# Allegro board nu_2000_main_210405_gerber_el.brd (continued)
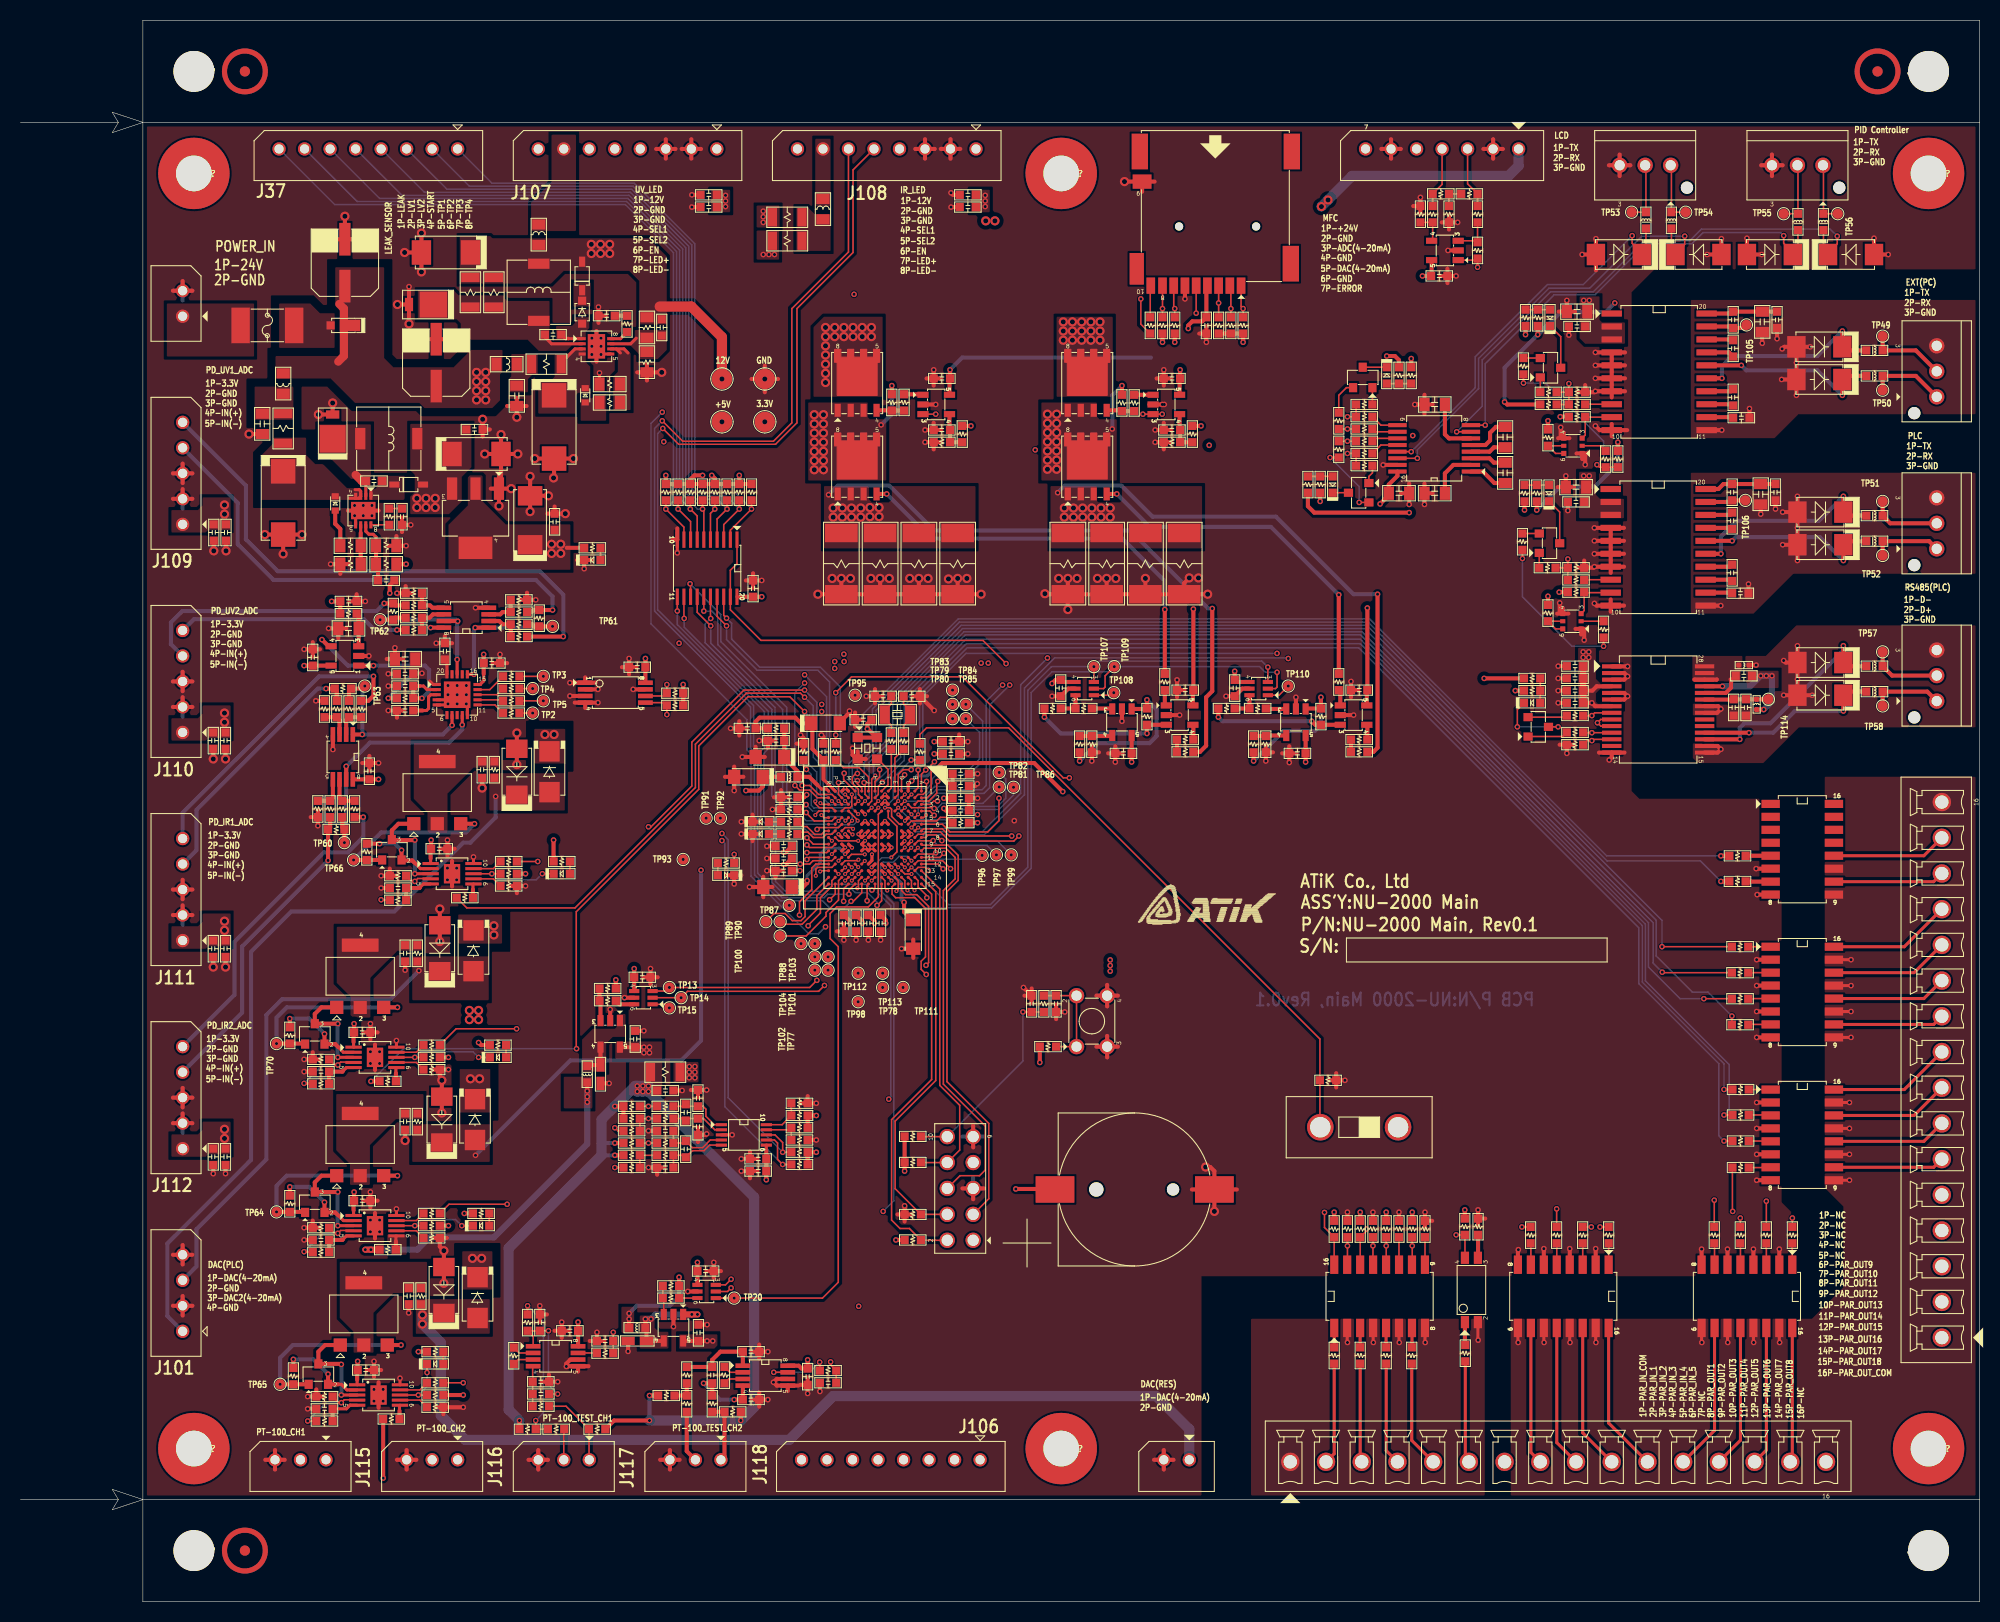
[diagram p0: board, top side]
## Routing (per net, layer and track width the routed paths; a pad name or vN(x,y) marks a point on that pad's centre or on a via; arc(x,y) is an arc through that point) (continued)
N8369408: length 2.8
  TOP w0.15: U13.3 63.05,29.65 R266.2 R268.2
N8396298: length 3.6
  TOP w0.3: 39.4,87.35 39.8,87.35 40,87.55 40,88.7 40.2,88.9 U28.3
  TOP w0.4: 39.4,87.35 C121.1
N8403456: length 3.4
  TOP w0.4: R276.1 R274.1 47.25,97 47.02,96.78 U22.3
N8403460: length 55
  TOP w0.4: R273.2 v1(53.2,94.6)
  BOTTOM w0.4: v1(53.2,94.6) 53.2,98.7 50.9,101 25.23,101 22.1,104.12 22.1,109.4 J109.5
N8403752: length 3.4
  TOP w0.4: U22.5 40.38,97.42 40.15,97.65 R279.1 R280.1
N8403762: length 22.7
  TOP w0.4: R278.2 v1(36.9,95.25)
  BOTTOM w0.4: v1(36.9,95.25) 34.73,95.25 33.67,96.3 17,96.3 J110.5
N8404439: length 30.1
  TOP w0.4: v1(34.6,90.7) 34.6,88.8 34.1,88.3 R282.2
  BOTTOM w0.4: J111.5 15.9,77.32 29.28,90.7 v1(34.6,90.7)
N8404447: length 3
  TOP w0.4: U55.3 31.27,86.42 R283.1 R284.1
N8404798: length 32.1
  TOP w0.4: R286.2 v1(33.6,76.9)
  BOTTOM w0.4: J112.5 20.98,59.48 20.98,64.67 29.75,73.45 32.1,73.45 33.6,74.95 v1(33.6,76.9)
N8404806: length 3.4
  TOP w0.4: R288.1 R287.1 30.62,78.78 U55.5
N8414467: length 2.3
  TOP w0.3: C122.1 53.4,123.8 53.7,123.8 ; LS2.1 53.7,123.8 ; 53.7,123.8 53.65,123.85
N8414639: length 2.4
  TOP w0.3: LS2.3 54.35,122.8 53.55,122 52.95,122
N8414655: length 4.2
  TOP w0.3: C122.2 51.4,123.95 52.05,123.3 LS2.2
N8414843: length 2.4
  TOP w0.3: 58.4,122.8 LS2.6 ; 58.4,122.8 58.8,122.4 ; 58.4,122.8 59.15,122.8 59.55,122.4
N8414851: length 2.7
  TOP w0.3: LS2.7 59.8,123.3 60.35,123.85
N8414991: length 1.9
  TOP w0.3: R297.1 58.8,123.8 LS2.8
N8415115: length 1.2
  TOP w0.4: R297.2 C131.2
N8431624: length 3.2
  TOP w0.4: R303.1 R302.2 106.95,84.85 U58.4
N8431628: length 15.7
  TOP w0.4: v1(110.4,88.4) R389.1 110.35,87.5 U58.1 ; R303.2 v1(103.8,82.4)
  BOTTOM w0.4: v1(103.8,82.4) 105.55,84.15 110.65,84.15 111.35,84.85 111.35,87.45 v1(110.4,88.4)
N8432578: length 1.5
  TOP w0.4: U59.4 114.95,85.9 R305.2
N8432585: length 1.6
  TOP w0.4: R304.1 112.15,88 U59.1
N8432589: length 40.9
  TOP w0.4: Q16.4 v1(84.9,108.58) ; R304.2 v1(112.15,97.25)
  BOTTOM w0.4: v1(112.15,97.25) 112.15,100.05 108,104.2 89.28,104.2 v1(84.9,108.58)
N8433268: length 2.7
  TOP w0.4: R316.2 R313.2 85.37,116.78 Q15.4
N8433288: length 5.1
  TOP w0.4: R313.1 v1(85.4,119.2)
  BOTTOM w0.4: v1(84.35,115.35) 85.4,116.4 v1(85.4,119.2)
  vias: v2(77.8,116.35) v2(77.8,115.45) v2(77.8,114.55) v2(77.8,113.65) v2(77.8,112.75) v2(77.8,111.85) v2(77.8,110.95) v2(78.7,116.35) v2(78.7,115.45) v2(78.7,114.55) v2(78.7,113.65) v2(78.7,112.75) v2(78.7,111.85) v2(78.7,110.95)
N8433496: length 4
  TOP w0.4: U61.4 91.05,114.9 C135.1 R315.2 R314.1
N8434153: length 1.9
  TOP w0.4: R316.1 88.4,118.35 U61.1
N8438307: length 58.2
  TOP w0.4: v1(116.8,97.35) 116.8,89.25 116.2,88.65 116.2,83.9 115.6,83.3 R378.2
  BOTTOM w0.4: v1(79.2,108.5) 80.1,109.4 85.15,109.4 89.55,105 108.75,105 116.4,97.35 v1(116.8,97.35)
  vias: v2(79.65,107.2) v2(79.65,106.3) v2(80.55,107.2) v2(80.55,106.3) v2(81.45,107.2) v2(81.45,106.3) v2(82.35,107.2) v2(82.35,106.3) v2(83.25,107.25) v2(83.25,106.35) v2(84.15,107.25) v2(84.15,106.35)
N8440427: length 4
  TOP w0.4: R317.1 R319.2 C138.1 113.6,114.9 U62.4
N8440451: length 1.8
  TOP w0.4: R318.1 U62.1
N8440455: length 2.7
  TOP w0.4: Q17.4 107.87,116.78 R320.2 R318.2
N8440519: length 5.5
  TOP w0.4: R320.1 v1(107.95,119.2)
  BOTTOM w0.4: v1(107,114.95) 107,118.25 v1(107.95,119.2)
  vias: v2(100.65,116.4) v2(100.65,115.5) v2(100.65,114.6) v2(100.65,113.7) v2(100.65,112.8) v2(100.65,111.9) v2(100.65,111) v2(101.55,116.4) v2(101.55,115.5) v2(101.55,114.6) v2(101.55,113.7) v2(101.55,112.8) v2(101.55,111.9) v2(101.55,111)
N8440761: length 14.2
  TOP w0.4: v1(127.45,88.65) R391.1 126,87.55 U63.1 ; R323.2 v1(120.85,82.4)
  BOTTOM w0.4: v1(120.85,82.4) 123.8,85.35 126.85,85.35 127.45,85.95 v1(127.45,88.65)
N8440789: length 3.2
  TOP w0.4: U63.4 122.1,84.9 R322.2 R323.1
N8440797: length 1.6
  TOP w0.4: U64.1 129.35,89.2 R321.1
N8440801: length 34.6
  TOP w0.4: Q18.4 v1(107.45,108.58) ; R321.2 v1(129.2,98.7)
  BOTTOM w0.4: v1(129.2,98.7) 122.55,105.35 110.68,105.35 v1(107.45,108.58)
N8440805: length 1.5
  TOP w0.4: R324.2 132,85.9 U64.4
N8440829: length 52.3
  TOP w0.4: R373.2 132.6,83.3 133,83.7 v1(133,98.75)
  BOTTOM w0.4: v1(133,98.75) 130.65,98.75 123.05,106.35 110.95,106.35 107.9,109.4 102.35,109.4 v1(101.65,108.7)
  vias: v2(102.3,107.2) v2(102.3,106.3) v2(103.2,107.2) v2(103.2,106.3) v2(104.1,107.2) v2(104.1,106.3) v2(105,107.2) v2(105,106.3) v2(105.9,107.2) v2(105.9,106.3) v2(106.8,107.2) v2(106.8,106.3)
N8440925: length 1.2
  TOP w0.4: R324.1 R373.1
N8448810: length 2
  TOP w0.4: R333.2 106.95,87.55 U58.3
N8448818: length 2
  TOP w0.4: U63.3 122.1,87.5 R332.2
N8454919: length 6
  TOP w0.15: U44.1 68,46.75 67.17,47.58 67.17,48.27 66.9,48.55 C179.2 65.4,48.55 C180.2 65,48.55 R334.1
N8454923: length 5.3
  TOP w0.15: R335.1 65,47.35 C180.1 65.4,47.35 C181.2 66.95,47.35 68.05,46.25 U44.2
N8455459: length 55
  TOP w0.15: R336.2 58.55,46.15 v1(58.25,46.45)
  L3-INT1 w0.1: v1(58.25,46.45) 57.45,45.65 57.45,29.1 44.6,16.25 29.8,16.25 J115.2
N8456453: length 6.6
  TOP w0.15: C182.2 R337.1 65,44.95 C184.2 65.85,44.5 66.85,44.5 67.6,45.25 U44.4
N8456457: length 6.5
  TOP w0.15: C183.2 R338.1 65,43.75 C184.1 65.85,44.2 67,44.2 67.55,44.75 U44.5
N8456560: length 38.4
  TOP w0.15: R339.2 v1(58.25,42.55)
  L3-INT1 w0.1: v1(58.25,42.55) 57.9,42.2 57.9,28.85 44.65,15.6 42.05,15.6 J116.2
N8465176: length 7.9
  TOP w0.15: R342.2 53.48,19.15 R232.1 55.73,13.93 J117.1
N8465183: length 3
  TOP w0.15: J117.2 53.25,16.85 R340.2
N8465187: length 15.1
  TOP w0.15: R340.1 R233.1 v1(50.5,17.75) ; R341.2 v1(49.7,29)
  BOTTOM w0.15: v1(49.7,29) 51.25,27.45 51.25,18.5 v1(50.5,17.75)
N8465270: length 11.2
  TOP w0.15: v1(51.75,26.55) C156.2 R341.1 50.25,26 U66.1 ; C155.2 v1(52.65,20.35)
  BOTTOM w0.15: v1(51.75,26.55) 51.75,21.25 v1(52.65,20.35)
N8465318: length 3.9
  TOP w0.15: R342.1 C155.1 C157.2 50.2,23.02 U66.4
N8466691: length 2.1
  TOP w0.15: R344.2 48.77,23.73 50.25,23.73
N8466814: length 2.1
  TOP w0.15: R344.1 48.88,24.38 U66.2
N8466854: length 1.9
  TOP w0.15: R345.2 56.48,24.38 U66.7
N8472178: length 6
  TOP w0.4: R352.2 R346.1 69,14.25 J118.1
N8472182: length 2.4
  TOP w0.4: R348.2 R349.1 R347.1
N8472294: length 7.9
  TOP w0.4: R348.1 C158.2 67.8,23.7 68.6,24.5 C159.2 U67.1
N8472330: length 5.1
  TOP w0.4: R349.2 65.3,14.75 J118.2
N8472342: length 2
  TOP w0.15: R350.2 69.42,21.82 70.8,21.82
N8472350: length 2
  TOP w0.15: R350.1 69.53,22.48 U67.2
N8472370: length 7.1
  TOP w0.15: U67.7 v1(73.83,22.48) ; v1(78.33,23.48) 78.35,23.45 R351.2
  BOTTOM w0.15: v1(78.33,23.48) 77.33,22.48 v1(73.83,22.48)
N8472434: length 7.9
  TOP w0.4: U67.4 C160.2 v1(69.95,19.8) ; v1(66.95,21.4) C158.1 R352.1
  BOTTOM w0.4: v1(66.95,21.4) 68.55,19.8 v1(69.95,19.8)
N8479815: length 16.6
  TOP w0.15: U1.D4 v3(86.67,77.83)
  L3-INT1 w0.1: v3(86.67,77.83) 87.42,77.83 88.2,78.6 88.2,80.7 88.5,81 91.15,81 91.65,81.5 91.65,85.5 90.8,86.35 90.8,88.8 v1(91.35,89.35)
N8479819: length 13.6
  TOP w0.15: U1.C4 v3(87.33,77.17)
  BOTTOM w0.15: v1(95.92,81.28) 96.58,80.62 96.58,78.78 95.75,77.95 92.22,77.95 90.9,76.62 87.85,76.62 87.33,77.15 v3(87.33,77.17)
N8479823: length 10
  TOP w0.15: v1(89.55,77.75) 89.47,77.83 87.33,77.83 U1.C3
  BOTTOM w0.15: v1(95.92,79.85) 94.33,78.25 90.33,78.25 89.83,77.75 v1(89.55,77.75)
N8479827: length 11
  TOP w0.15: U1.C2 v3(87.33,79.12)
  L4-INT2 w0.1: v1(91.35,86.55) 90.5,86.55 86.2,82.25 86.2,80.15 87.22,79.12 v3(87.33,79.12)
N8479831: length 11.8
  TOP w0.15: U1.D2 v3(86.67,79.12)
  L4-INT2 w0.1: v3(86.67,79.12) 86.67,79.17 86,79.85 86,82.35 91.35,87.7 v1(91.35,87.95)
N8479835: length 15.9
  TOP w0.15: U1.D3 v3(86.67,78.47)
  BOTTOM w0.15: v1(92.65,87.95) 94.3,86.3 94.3,82.4 91.8,79.9 89.6,79.9 88.17,78.47 v3(86.67,78.47)
N8479839: length 15.5
  TOP w0.15: U1.E3 v3(86.03,78.47)
  BOTTOM w0.15: v3(86.03,78.47) 86.03,79.42 86.35,79.75 88.9,79.75 89.35,80.2 89.35,80.65 89.7,81 92.4,81 94,82.6 94,85.2 v1(92.65,86.55)
N8479843: length 14.3
  TOP w0.15: U1.E4 v3(86.03,77.83)
  BOTTOM w0.15: v3(86.03,77.83) 87.55,76.3 91.05,76.3 92.4,77.65 95.9,77.65 97.33,79.08 v1(97.33,79.83)
N8480605: length 6.7
  TOP w0.15: v3(77.95,71.15) 77.95,71.8 78.12,71.97 79.53,71.97 U1.P12
  L4-INT2 w0.1: v3(77.95,71.15) 77.95,70.85 v1(75.35,68.25)
N8480609: length 9.5
  TOP w0.15: v3(80.17,71.33) U1.P13
  L4-INT2 w0.1: v1(76.5,64.5) 76.95,64.95 78.15,64.95 78.45,65.25 78.45,69.6 v3(80.17,71.33)
N8480613: length 9.4
  TOP w0.15: U1.R14 76.9,68.7 76.9,67.15 76.5,66.75 75.65,66.75 74.95,67.45 73.85,67.45 TP89.1
N8480617: length 7.3
  TOP w0.15: U1.R15 78.05,69.2 78.05,67.85 76.6,66.4 74.7,66.4 TP90.1
N8480653: length 15.6
  TOP w0.15: U1.R5 78.75,76.85 v3(78.5,77.1)
  L4-INT2 w0.1: v1(67.2,76.8) 69.05,78.65 75.65,78.65 76.55,79.55 77.9,79.55 78.8,78.65 78.8,77.4 v3(78.5,77.1)
N8480657: length 12.7
  TOP w0.15: U1.R4 78.25,77.5 77.9,77.15 v3(77.9,77.1)
  L4-INT2 w0.1: v3(77.9,77.1) 77.45,77.55 77.45,78.4 77.25,78.6 76.15,78.6 75.78,78.23 70.03,78.23 v1(68.6,76.8)
N8480709: length 19.4
  TOP w0.15: U1.N7 80.83,75.88 81.47,75.88 v3(81.6,75.75)
  L4-INT2 w0.1: v3(81.6,75.75) 78.9,75.75 78.35,75.2 77.7,75.2 77.45,75.45 73.65,75.45 70.95,72.75 v1(64.95,72.75)
N8480727: length 10.6
  TOP w0.15: v1(84.2,81.55) 84.2,80.85 83.75,80.4 U1.H1
  L4-INT2 w0.1: v1(84.2,81.55) 84.2,86.45 v1(81.8,88.85)
N8480761: length 7.3
  TOP w0.15: U1.B10 v3(87.95,73.9)
  BOTTOM w0.15: v1(94.25,73.15) 93.88,72.78 89.08,72.78 v3(87.95,73.9)
N8480765: length 8.7
  TOP w0.15: v1(89.45,74.6) 89.42,74.58 87.97,74.58 U1.B9
  BOTTOM w0.15: v1(95.65,73.2) 94.72,74.12 89.92,74.12 v1(89.45,74.6)
N8480791: length 13.6
  TOP w0.15: U1.H14 v3(83.42,70.67)
  L4-INT2 w0.1: v1(82.1,58.8) 81.28,59.62 81.28,65.35 81.85,65.92 81.85,69.1 v3(83.42,70.67)
N8480809: length 9.7
  TOP w0.15: U1.A8 88.7,74.9 88.95,75.15 89.75,75.15 v1(90.3,74.6)
  BOTTOM w0.15: v1(97.1,73.2) 95.7,74.6 v1(90.3,74.6)
N8547740: length 9.7
  TOP w0.15: U1.N14 80.17,70.67 80.17,68.78 78.95,67.55 78.95,67.2 77,65.25 TP100.1
N8547744: length 11.3
  TOP w0.15: U1.N13 v3(80.83,71.97)
  L3-INT1 w0.1: v1(79.15,63.2) 78.45,63.9 78.45,66.45 80.05,68.05 80.05,70.25 79.6,70.7 79.6,71.45 80.12,71.97 v3(80.83,71.97)
N8547748: length 9.8
  TOP w0.15: v1(80.67,68.65) 80.67,69.88 U1.M15
  L4-INT2 w0.1: v1(80.67,68.65) 80.47,68.45 80.47,65.51 78.5,63.53 78.5,62.55 v1(77.85,61.9)
N8547752: length 8.4
  TOP w0.15: U1.M14 v3(80.83,70.67)
  L4-INT2 w0.1: v3(80.83,70.67) 80,69.85 80,65.7 78.8,64.5 v1(77.85,64.5)
N8547756: length 9.4
  TOP w0.15: U1.L14 v3(81.47,70.67)
  L4-INT2 w0.1: v3(81.47,70.67) 80.25,69.45 80.25,65.6 v1(77.85,63.2)
N8577903: length 2.3
  TOP w0.4: R175.2 141.56,25.19 U73.1
N8578750: length 2.3
  TOP w0.4: R177.1 142.85,33.72 142.84,33.7
N8579418: length 2.1
  TOP w0.15: 155.65,33.02 155.65,35.12 R176.2
N8579458: length 2.1
  TOP w0.15: R178.2 153.1,35.12 153.1,33.02
N8579498: length 2.1
  TOP w0.15: R180.2 150.56,35.11 150.56,33.02
N8580456: length 2.1
  TOP w0.15: R188.2 148.03,35.1 148.03,33.02
N8581115: length 2.1
  TOP w0.15: 173.65,33.02 173.65,35.12 R189.2
N8581155: length 2.1
  TOP w0.15: 171.1,33.02 171.1,35.12 R191.2
N8581195: length 2.1
  TOP w0.15: R193.2 168.56,35.11 168.56,33.02
N8581905: length 2.1
  TOP w0.15: 166.03,33.02 166.03,35.1 R198.2
N8582414: length 2.2
  TOP w0.15: R199.2 171.52,50.2 U47.1
N8582454: length 2.2
  TOP w0.15: U47.3 171.48,47.7 R200.2
N8582494: length 2.2
  TOP w0.15: U47.5 171.49,45.15 R201.2
N8583064: length 2.2
  TOP w0.15: R206.2 171.5,42.55 U47.7
N8583488: length 2.2
  TOP w0.15: U48.1 169.33,64.19 169.32,64.2
N8583528: length 2.2
  TOP w0.15: 169.32,61.65 169.33,61.66 U48.3
N8583568: length 2.2
  TOP w0.15: 169.32,59.1 169.34,59.12 U48.5
N8584162: length 2.2
  TOP w0.15: 169.32,56.55 169.35,56.58 U48.7
N8589792: length 2.4
  TOP w0.15: D70.1 R353.2 R354.1
N8593977: length 1.6
  TOP w0.15: U68.3 D70.2
N8593981: length 7.4
  TOP w0.15: R355.1 v1(128.35,112.15) ; U68.2 v1(131.2,107.75)
  BOTTOM w0.15: v1(128.35,112.15) 131.2,109.3 v1(131.2,107.75)
N8593985: length 1.8
  TOP w0.15: R356.1 132.5,110.65 132.15,110.3 U68.1
N8594383: length 2.4
  TOP w0.15: D71.1 R357.2 R358.1
N8594935: length 2.4
  TOP w0.15: D71.2 U69.3
N8594939: length 3.4
  TOP w0.15: R359.1 129.2,118.25 129.95,119 U69.2
N8594943: length 1.7
  TOP w0.15: U69.1 R360.1
N8604076: length 2.7
  TOP w0.4: C70.1 167.65,118.64 U74.14
N8604083: length 2.7
  TOP w0.4: U74.13 167.72,117.38 C70.2
N8604919: length 2.6
  TOP w0.4: C69.1 167.79,116.11 U74.12
N8605385: length 4.8
  TOP w0.15: U79.3 153.35,114.35 R399.2 153.4,116.11 U74.9
N8606319: length 7
  TOP w0.4: C67.1 C162.1 C71.1 167.66,126.27 U74.20
N8607073: length 2.6
  TOP w0.4: C163.1 167.78,123.72 U74.18
N8607080: length 2.8
  TOP w0.4: C163.2 167.44,122.45 U74.17
N8607114: length 4.1
  TOP w0.4: TP105.1 168.85,124.85 C71.2 167.71,125 U74.19
N8607764: length 2.4
  TOP w0.15: R362.1 R361.2 D72.1
N8607800: length 4.5
  TOP w0.15: U70.3 150.95,124 D72.2
N8607826: length 1.6
  TOP w0.15: U70.2 R363.1
N8607830: length 1.5
  TOP w0.15: U70.1 R364.1
N8610915: length 7.1
  TOP w0.4: C165.1 C164.1 C166.1 166.9,109.55 166.41,109.06 U75.20
N8611019: length 4
  TOP w0.4: 165.15,107.8 167.59,107.8 C166.2 TP106.1
N8611105: length 2.7
  TOP w0.4: C169.1 167.53,106.53 U75.18
N8611113: length 2.6
  TOP w0.4: U75.17 167.65,105.25 C169.2
N8611231: length 4.8
  TOP w0.15: U80.3 153.25,97.15 R401.2 153.29,98.91 U75.9
N8611289: length 2.6
  TOP w0.4: U75.12 167.69,98.91 C170.1
N8611293: length 2.7
  TOP w0.4: C171.1 167.54,101.44 U75.14
N8611297: length 2.7
  TOP w0.4: U75.13 167.62,100.17 C171.2
N8611839: length 2.4
  TOP w0.15: R366.1 R365.2 D73.1
N8611875: length 4.5
  TOP w0.15: U71.3 150.85,106.8 D73.2
N8611901: length 1.7
  TOP w0.15: U71.2 R367.1
N8611905: length 1.5
  TOP w0.15: U71.1 R368.1
N8628016: length 1.2
  TOP w0.4: R378.1 R305.1
N8631058: length 2.8
  TOP w0.4: U76.6 R333.1 R390.1
N8631434: length 2.8
  TOP w0.4: R392.1 R332.1 U77.6
N8632420: length 11.4
  TOP w0.15: U1.L13 v3(81.47,71.33)
  L3-INT1 w0.1: v3(81.47,71.33) 81.9,70.9 81.9,70.4 81.65,70.15 81.65,69.6 81.95,69.3 81.95,68.55 79.78,66.38 79.78,62.52 v1(79.15,61.9)
N8632424: length 15.5
  TOP w0.15: U1.L12 v3(82.1,72)
  L3-INT1 w0.1: v1(86.5,60.2) 85.8,60.9 85.8,68.35 83.9,70.25 83.9,72.15 83.7,72.35 83.05,72.35 82.7,72 v3(82.1,72)
N8632428: length 13.6
  TOP w0.15: U1.K12 v3(82.75,72.6)
  L4-INT2 w0.1: v3(82.75,72.6) 83.55,72.6 83.9,72.25 83.9,69 82.05,67.15 82.05,65.83 81.47,65.25 81.47,62.23 v1(82.1,61.6)
N8632432: length 11.9
  TOP w0.15: U1.E12 v3(86.03,71.97)
  L4-INT2 w0.1: v3(86.03,71.97) 86.55,71.45 86.55,69.42 86.12,69 86.12,65.12 84.5,63.5 v1(84.5,61.6)
N8641754: length 6
  TOP w0.15: J119.3 141.82,138.97 R385.2 R381.1
N8641766: length 3.9
  TOP w0.15: R381.2 R384.1 142.65,133.4 U78.3
N8641838: length 2.4
  TOP w0.15: R388.1 R387.2 R385.1
N8641920: length 3
  TOP w0.15: R383.1 R386.2 138.4,133.5 U78.4
N8641956: length 6
  TOP w0.15: J119.4 139.32,138.93 R387.1 R386.1
N8659167: length 2.4
  TOP w0.15: D74.1 R369.2 R370.1
N8659203: length 7.6
  TOP w0.15: D74.2 146.7,87.45 v1(146.7,85.75) ; U72.3 v1(150.7,85.75)
  BOTTOM w0.15: v1(150.7,85.75) v1(146.7,85.75)
N8659229: length 3.9
  TOP w0.15: R371.1 151.4,86.7 U72.2
N8659233: length 4
  TOP w0.15: R372.1 151.15,84.8 U72.1
N8674898: length 14.3
  TOP w0.4: U59.3 R389.2 v1(110.4,85.1) ; R390.2 v1(100.35,86.7)
  BOTTOM w0.4: v1(100.35,86.7) 101.95,85.1 v1(110.4,85.1)
N8675008: length 13.1
  TOP w0.4: U64.3 R391.2 126.9,85.95 v1(126.55,86.3) ; R392.2 v1(117.4,86.7)
  BOTTOM w0.4: v1(117.4,86.7) 117.8,86.3 v1(126.55,86.3)
N8675155: length 2.6
  TOP w0.15: U75.8 153.28,100.17 R393.2
N8676464: length 2.6
  TOP w0.15: R395.2 153.38,117.38 U74.8
N8676560: length 2.5
  TOP w0.15: R397.2 154.85,113.3 U79.2
N8676594: length 3.4
  TOP w0.15: U79.6 150.45,112.55 R398.2 U79.5
N8678547: length 3.2
  TOP w0.15: U80.6 150.45,95.35 R400.2 U80.5
N8678615: length 2.2
  TOP w0.15: U80.2 R402.2
N8687759: length 5.9
  TOP w0.4: 166.25,90.4 166.22,90.38 U81.26 164.07,90.38 164.05,90.4 ; 167.6,90.4 167.65,90.35 167.65,89.6 167.12,89.08 U81.24
N8687790: length 11.4
  TOP w0.4: 165.05,89.72 v1(166.8,89.72) ; L23.1 v1(170.85,87.45)
  BOTTOM w0.6: v1(166.8,89.72) 169.53,89.72 v1(170.55,90.75) v1(171.1,90.75) v1(171.65,90.75) 171.65,88.25 v1(170.85,87.45)
N8815037: length 2.5
  TOP w0.4: R215.2 169.09,73.12 U49.5
N8815077: length 2.5
  TOP w0.4: R216.2 169.1,70.58 U49.7

## Copper pours and planes (outline as drawn; the poured copper is in the pictures)
3.3V on TOP: 14.8,84.4 14.8,86.6 17.4,86.6 17.85,87.05 17.85,87.85 20.6,87.85 20.6,84.65 18.4,84.65 18.15,84.4
3.3V on TOP: 64,50.9 64,52.9 66.45,52.9 66.45,50.9
3.3V on TOP: 14.8,104.8 14.8,107 17.4,107 17.85,107.45 17.85,108.25 20.6,108.25 20.6,105.05 18.4,105.05 18.15,104.8
3.3V on TOP: 14.8,64 14.8,66.2 17.4,66.2 17.85,66.65 17.85,67.45 20.6,67.45 20.6,64.25 18.4,64.25 18.15,64
3.3V on TOP: 41.95,105.55 41.95,101.15 53.9,101.15 53.9,105.6 47.55,105.6 45.3,107.85 45.3,110.3 45.2,110.4 44.05,110.4 43.85,110.2 43.85,107.45
3.3V on TOP: 14.8,43.6 14.8,45.8 17.4,45.8 17.85,46.25 17.85,47.05 20.6,47.05 20.6,43.85 18.4,43.85 18.15,43.6
3.3V on TOP: 152.65,87.55 156.95,87.55 156.95,88 154.6,88 154.4,88.2 154.4,89.05 154.85,89.5 156.95,89.5 156.95,89.95 154.9,89.95 154.4,90.45 154.4,93.5 152.65,93.5
3.3V on L2-PWR: 115.75,10.6 12.6,10.6 12.6,144.4 191.4,144.4 191.4,130.6 160.15,130.6 157.9,128.35 157.9,79.45 158.65,78.7 172.6,78.7 172.6,39.15 174.25,37.5 174.25,31.9 115.75,31.9 ; 28 cut-outs
12V on TOP: 93.15,138.4 93.15,136.2 95,136.2 95,138.4
12V on TOP: 67.7,138.4 67.7,136.2 69.55,136.2 69.55,138.4
12V on TOP: 43.05,129.2 43.05,133.85 46.05,133.85 46.25,133.65 61.55,133.65 63.35,131.85 63.35,125.2 60.65,125.2 60.65,129.45 59.65,130.45 53.25,130.45 52,129.2
12V on TOP: 74.4,134.65 74.4,136.85 72.15,136.85 72.15,134.65
12V on BOTTOM: 93.75,135.95 93.75,131.9 109.25,131.9 110.35,130.8 110.35,111.7 120.95,111.7 120.95,135.95 ; 2 cut-outs
12V on L4-INT2: 52.35,130.55 52.35,144.4 96.2,144.4 96.2,134.8 60.8,134.8 59.6,133.6 59.6,130.55
24V on TOP: 30.85,127.1 31.2,127.1 31.3,127 31.3,122.1 25,122.1 25,119.9 30.4,119.9 32.8,117.5 39.1,117.5 39.6,117 46.25,117 47,117.75 47,120.3 47.25,120.55 47.25,122.7 44.15,122.7 42.45,121 36.55,121 35.65,121.9 35.65,130.8 30.85,130.8
24V on TOP: 50.35,82.15 50.35,85.55 53.4,85.55 53.4,82.15
24V on TOP: 43.05,47.95 43.05,52.2 46.05,52.2 46.05,47.95
24V on TOP: 43.3,30.6 43.3,34.35 46.25,34.35 46.25,30.6
24V on TOP: 42.9,64.5 42.9,67.35 47.2,67.35 47.2,64.5
24V on L3-INT1: 49.55,124.3 49.55,116.05 46.25,112.75 46.25,87.7 48.4,85.55 53.4,85.55 53.4,76.55 48.65,76.55 47.6,75.5 47.6,62.75 46.25,61.4 46.25,26.25 42.6,22.6 22.75,22.6 22.75,121.3 25.75,124.3
+5V on TOP: 38.2,115.45 38.2,110.9 38.65,110.45 38.65,108.75 38.2,108.3 38.2,106.6 42,106.6 43.25,107.85 43.25,110.25 44.2,111.2 44.2,115.45
+5V on TOP: 74.35,134.4 74.35,131.55 72.15,131.55 72.15,134.4
+5V on TOP: 64.55,26.2 64.55,24.8 68,24.8 68.3,25.1 68.3,26.2
+5V on TOP: 58.3,54.9 58.3,53.2 62.9,53.2 62.9,54.9
+5V on TOP: 152.8,127.95 154.75,127.95 154.75,125.65 155,125.4 157.25,125.4 157.25,123.3 153.35,123.3 152.8,123.85
+5V on TOP: 154.4,110.75 154.4,108.5 154.8,108.1 157.15,108.1 157.15,106.2 152.75,106.2 152.75,110.75
+5V on L2-PWR: 43,64.05 135.1,64.05 135.1,130.5 154.4,130.5 154.4,95.6 144.05,95.6 144.05,53.65 43,53.65 ; 4 cut-outs
+5V on L4-INT2: 25.75,19.35 25.75,115.7 46.25,115.7 46.25,26.25 42.6,22.6 42.6,19.35 ; 1 cut-out
GND on TOP: 99.65,100.95 99.65,96.65 117.9,96.65 117.9,100.95
GND on TOP: 77.15,100.95 77.15,97.3 94.85,97.3 94.85,100.95
GND on BOTTOM: 12.4,10.4 12.4,144.6 191.6,144.6 191.6,130.6 160.15,130.6 157.9,128.35 157.9,79.45 158.65,78.7 172.6,78.7 172.6,39.15 174.25,37.5 174.25,31.9 115.75,31.9 115.75,10.4 ; 53 cut-outs
GND on L3-INT1: 12.4,10.4 12.4,144.6 191.6,144.6 191.6,130.6 160.15,130.6 157.9,128.35 157.9,79.45 158.65,78.7 172.6,78.7 172.6,39.15 174.25,37.5 174.25,31.9 115.75,31.9 115.75,10.4 ; 61 cut-outs
GND on L4-INT2: 12.4,10.4 12.4,144.6 191.6,144.6 191.6,130.6 160.15,130.6 157.9,128.35 157.9,79.45 158.65,78.7 172.6,78.7 172.6,39.15 174.25,37.5 174.25,31.9 115.75,31.9 115.75,10.4 ; 60 cut-outs
GND on L5-GND: 12.4,10.4 12.4,144.6 191.6,144.6 191.6,130.6 160.15,130.6 157.9,128.35 157.9,79.45 158.65,78.7 172.6,78.7 172.6,39.15 174.25,37.5 174.25,31.9 115.75,31.9 115.75,10.4 ; 19 cut-outs
(no net) on TOP: 12.4,10.4 12.4,144.6 191.6,144.6 191.6,130.6 160.15,130.6 157.9,128.35 157.9,79.45 158.65,78.7 172.6,78.7 172.6,39.15 174.25,37.5 174.25,31.9 115.75,31.9 115.75,10.4 ; 102 cut-outs
B_PARA_IN_COM on TOP, BOTTOM, L2-PWR, L3-INT1, L4-INT2, L5-GND: 120.6,27.73 143.5,27.73 143.5,10.4 120.6,10.4
B_PARA_OUT_COM on TOP, BOTTOM, L2-PWR, L3-INT1, L4-INT2, L5-GND: 176.82,80.85 191.6,80.85 191.6,10.4 146.05,10.4 146.05,27.73 175.57,27.73 178.65,30.8 178.65,38.73 176.82,40.55
FGND1 on TOP, BOTTOM, L2-PWR, L3-INT1, L4-INT2, L5-GND: 171.9,114.05 174.25,116.4 191.6,116.4 191.6,127.6 163.7,127.6 163.7,114.05
FGND2 on TOP, BOTTOM, L2-PWR, L3-INT1, L4-INT2, L5-GND: 191.6,110.65 191.6,100.75 173.75,100.75 169.85,96.85 163.7,96.85 163.7,110.65
FGND3 on TOP: 191.6,95.7 191.6,85.7 174.3,85.7 170.8,82.2 164.4,82.2 163.9,82.7 163.9,92.7 171.05,92.7 174.05,95.7 ; 2 cut-outs
FGND3 on BOTTOM, L2-PWR, L3-INT1, L4-INT2, L5-GND: 191.6,95.7 191.6,85.7 174.3,85.7 170.8,82.2 164.4,82.2 163.9,82.7 163.9,92.7 171.05,92.7 174.05,95.7
IR_LED+ on TOP: 77.9,136.8 77.9,143.4 79.4,143.4 79.4,136.8
IR_LED- on TOP, L2-PWR, L3-INT1, L4-INT2, L5-GND: 101.55,125.95 101.55,118.1 107.05,118.1 107.05,125.95
IR_LED- on BOTTOM: 106.45,127.35 102.25,131.55 80.1,131.55 77.65,134 77.65,144.25 73.6,144.25 73.6,131.4 78.9,126.1 100.3,126.1 101.25,125.15 101.25,122.95 106.45,122.95
MFC_DAC on TOP: 38.4,46.8 38.4,43.1 46,43.1 46,46.8
UV_LED+ on TOP: 50.05,134.35 50.05,137.15 52.05,139.15 52.05,143.8 54.45,143.8 54.45,134.35
UV_LED- on TOP, L2-PWR, L3-INT1, L4-INT2, L5-GND: 84.5,118.1 84.5,125.95 78.75,125.95 77.72,124.92 77.72,118.1
UV_LED- on BOTTOM: 73.15,131.25 73.15,139.55 68.45,144.25 48.3,144.25 48.3,139.9 64.7,139.9 67.85,136.75 67.85,128 77.15,118.7 84.5,118.7 84.5,125.8 78.6,125.8
VRTD on TOP: 62.9,49.6 62.9,52.9 59.65,52.9 59.65,49.6
N7067961 on TOP: 34.2,108 34.2,109.05 34.75,109.05 34.95,109.25 34.95,110.35 37.65,110.35 37.65,108.1 37.55,108
N7068137 on TOP: 23.6,112.35 23.6,108 33.5,108 33.5,108.95 33.3,109.15 32,109.15 29.65,111.5 28.9,111.5 28,112.4 28,114.1 24.75,114.1 24.75,113.5
N7068175 on TOP: 14.35,127.25 14.35,122.05 22.9,122.05 22.9,127.25
N7068197 on TOP: 22.95,119.1 22.95,115.85 26.75,115.85 26.75,119.1
N7082580 on TOP: 33.65,109.4 33.35,109.4 32.7,110.05 32.4,110.05 30.15,112.3 29.2,112.3 29.2,115.4 34.35,115.4 34.35,109.35 34.05,109.35 34,109.3 34,108 33.7,108 33.7,109.35
N8017750 on TOP: 38.1,93.15 38.1,90.45 39.7,90.45 40.4,89.75 41.2,89.75 41.2,90.4 41.3,90.5 41.95,90.5 41.95,91.7 42.1,91.85 42.1,93.15
N8072032 on TOP: 57.4,54.7 57.4,51.95 55.05,51.95 55.05,55.1 56.1,56.15 58.25,56.15 58.45,56.35 58.45,57.6 59.3,57.6 59.3,55.35 58.05,55.35
N8072052 on TOP: 56.05,51.45 56.05,48.35 53.25,48.35 53.25,51.45
N8072192 on TOP: 60.15,26.35 60.15,28.9 58.9,28.9 58.9,26.35
N8072652 on TOP: 60.7,28.05 60.7,24.8 63.5,24.8 63.5,26.45 62.55,26.45 62.15,26.85 62.15,28.05
N8135587 on TOP: 30.95,49.75 30.95,44.25 32.3,42.9 32.3,40.85 34.25,40.85 34.25,44.75 36.8,47.3 39.5,47.3 39.5,49.75
N8135657 on TOP: 35.95,36 35.95,35.35 36.3,35 36.3,34 37.85,34 37.85,36
N8136119 on TOP: 31.3,33.3 31.3,27.8 32.65,26.45 32.65,24.4 34.6,24.4 34.6,28.3 36.55,30.25 39.85,30.25 39.85,33.3
N8136179 on TOP: 38.75,29.65 38.75,26.25 46,26.25 46,29.65
N8237132 on TOP: 38.55,84.2 38.55,78.7 39.9,77.35 39.9,75.3 41.85,75.3 41.85,79.2 44.4,81.75 46.95,81.75 46.95,84.2
N8237232 on TOP: 45.95,81.2 45.95,77.55 53.35,77.55 53.35,81.2
N8238072 on TOP: 31,66.15 31,60.65 32.35,59.3 32.35,57.25 34.3,57.25 34.3,61.15 36.95,63.8 39.4,63.8 39.4,66.15
N8238172 on TOP: 38.4,63.25 38.4,58.95 45.9,58.95 45.9,63.25
N8414467 on TOP: 55.4,123.65 55.4,124.5 55.75,124.85 55.75,125.9 54.35,125.9 54.35,125.35 54.05,125.05 52.5,125.05 52.5,123.75 53.3,123.75 53.4,123.65
N8414639 on TOP: 50.75,119.8 52.1,119.8 52.35,120.05 52.35,122.3 53.65,122.3 54.3,122.95 55.4,122.95 55.4,121.5 55.85,121.05 55.85,118.5 54.65,118.5 54.45,118.3 54.45,116.45 50.75,116.45
N8414655 on TOP: 38.95,128.55 38.95,125.7 42.75,125.7 43.15,125.3 43.15,124.15 43.6,123.7 49.7,123.7 50.8,122.6 53.5,122.6 54.05,123.15 55.4,123.15 55.4,123.45 52.1,123.45 51.85,123.7 51.85,127.5 47.7,127.5 47.4,127.8 47.4,128.05 42.95,128.05 42.45,128.55
N8414719 on TOP: 50.2,120.3 50.7,120.3 50.7,122.3 48.1,122.3 48.1,120.1 47.9,119.9 47.9,118.55 49.75,118.55 49.75,119.85
N8414843 on TOP: 57.5,122.95 57.5,122.65 58.35,122.65 58.55,122.45 58.55,120.55 58.1,120.1 58.1,116.8 59.8,116.8 59.8,122.35 59.2,122.95
N8414851 on TOP: 57.5,123.15 57.5,123.45 59.8,123.45 60.2,123.85 60.2,124.65 63.35,124.65 63.35,122.7 62.45,121.8 60.65,121.8 60.65,122.25 59.75,123.15
N8414939 on TOP: 57.4,118.35 57.4,115.75 54.9,115.75 54.9,117.95 56,117.95 56.15,118.1 56.15,118.35
N8433288 on TOP: 83.05,117.55 83.05,116.1 83.25,115.9 84.85,115.9 84.85,109.9 77.2,109.9 77.2,117.55
N8438307 on TOP: 78.75,103.25 78.75,109.35 83.15,109.35 83.15,108.05 83.45,107.75 85.1,107.75 85.4,108.05 85.4,109.35 93.6,109.35 93.6,103.25
N8438307 on L2-PWR, L3-INT1, L4-INT2, L5-GND: 78.75,109.35 78.75,103.2 84.8,103.2 84.8,109.35
N8439260 on TOP: 76.05,132.4 79.4,132.4 79.4,136 77.85,136 77.15,136.7 76.05,136.7
N8440519 on TOP: 105.5,117.55 105.5,116.15 105.75,115.9 107.45,115.9 107.45,109.9 100.05,109.9 100.05,117.55
N8440829 on TOP: 100.95,103.25 100.95,109.35 105.5,109.35 105.5,107.9 105.65,107.75 107.75,107.75 107.95,107.95 107.95,109.35 115.8,109.35 115.8,103.25
N8440829 on L2-PWR, L3-INT1, L4-INT2, L5-GND: 100.95,109.35 100.95,103.2 108.2,103.2 108.2,109.35
N8649784 on TOP: 54.2,129.3 54.2,126.95 55.9,126.95 55.9,129.3
N8687759 on TOP: 163.85,90.2 163.85,92.7 168.75,92.7 168.75,91.4 168.6,91.25 168.6,90.25 168.55,90.2
N8687790 on TOP: 169.15,91.25 169.15,89.55 172.3,89.55 172.3,91.25
N70680811 on TOP: 25.35,127.25 25.35,122.9 30.8,122.9 30.8,126.3 29.35,126.3 28.4,127.25

## Text on the board
BOTTOM: PCB P/N:NU-2000 Main, Rev0.1
User.Comments: CR_UNNAMED_25 | CR_UNNAMED_13 | CR_UNNAMED_14 | CR_UNNAMED_12
Ref Des/Silkscreen Top: 4P-IN(+) | 5P-IN(-) | 1P-3.3V | 2P-GND | 3P-GND | PD_UV1_ADC | PD_IR2_ADC | 4P-GND | 1P-DAC(4-20mA) | 3P-DAC2(4-20mA) | DAC(PLC) | PD_IR1_ADC | PD_UV2_ADC | PT-100_CH1 | PT-100_CH2 | PT-100_TEST_CH1 | 4P-SEL1 | 5P-SEL2 | 6P-EN | 7P-LED+ | 8P-LED- | 1P-12V | UV_LED | PT-100_TEST_CH2 | +5V | 12V | GND | 3.3V | IR_LED | DAC(RES) | 5P-DAC(4-20mA) | 6P-GND | 7P-ERROR | 1P-+24V | 3P-ADC(4-20mA) | MFC | 1P-TX | 2P-RX | LCD | 15P-PAR_OUT18 | 16P-PAR_OUT_COM | 13P-PAR_OUT16 | 14P-PAR_OUT17 | 4P-NC | 5P-NC | 6P-PAR_OUT9 | 7P-PAR_OUT10 | 8P-PAR_OUT11 | 9P-PAR_OUT12 | 10P-PAR_OUT13 | 11P-PAR_OUT14 | 12P-PAR_OUT15 | 1P-NC | 2P-NC | 3P-NC | PID Controller | 1P-D- | 2P-D+ | RS485(PLC) | EXT(PC) | PLC | LEAK_SENSOR | 1P-LEAK | 2P-LV1 | 3P-LV2 | 4P-START | 5P-TP1 | 6P-TP2 | 7P-TP3 | 8P-TP4 | 1P-PAR_IN_COM | 2P-PAR_IN_1 | 3P-PAR_IN_2 | 4P-PAR_IN_3 | 5P-PAR_IN_4 | 6P-PAR_IN_5 | 7P-NC | 8P-PAR_OUT1 | 9P-PAR_OUT2 | 10P-PAR_OUT3 | 11P-PAR_OUT4 | 12P-PAR_OUT5 | 13P-PAR_OUT6 | 14P-PAR_OUT7 | 15P-PAR_OUT8 | 16P-NC | 1P-24V | POWER_IN | S/N: | ATiK Co., Ltd | ASS'Y:NU-2000 Main | P/N:NU-2000 Main, Rev0.1
DIMENSION: FIGURE | SIZE | 0.2 | 0.3 | 0.5 | 0.9 | 1.0 | 1.1 | 1.3 | 2.0 | 3.5 | 0.8 | 1.2 | 1.4 | 4.0 | DRILL CHART: TOP to BOTTOM | ALL UNITS ARE IN MILLIMETERS | PLATED | NON-PLATED | QTY | 106 | 800 | 214 | 79 | 19 | 10 | 32 | 2 | 6 | 1 | 4
